# KiCad board q2.kicad_pcb (continued)
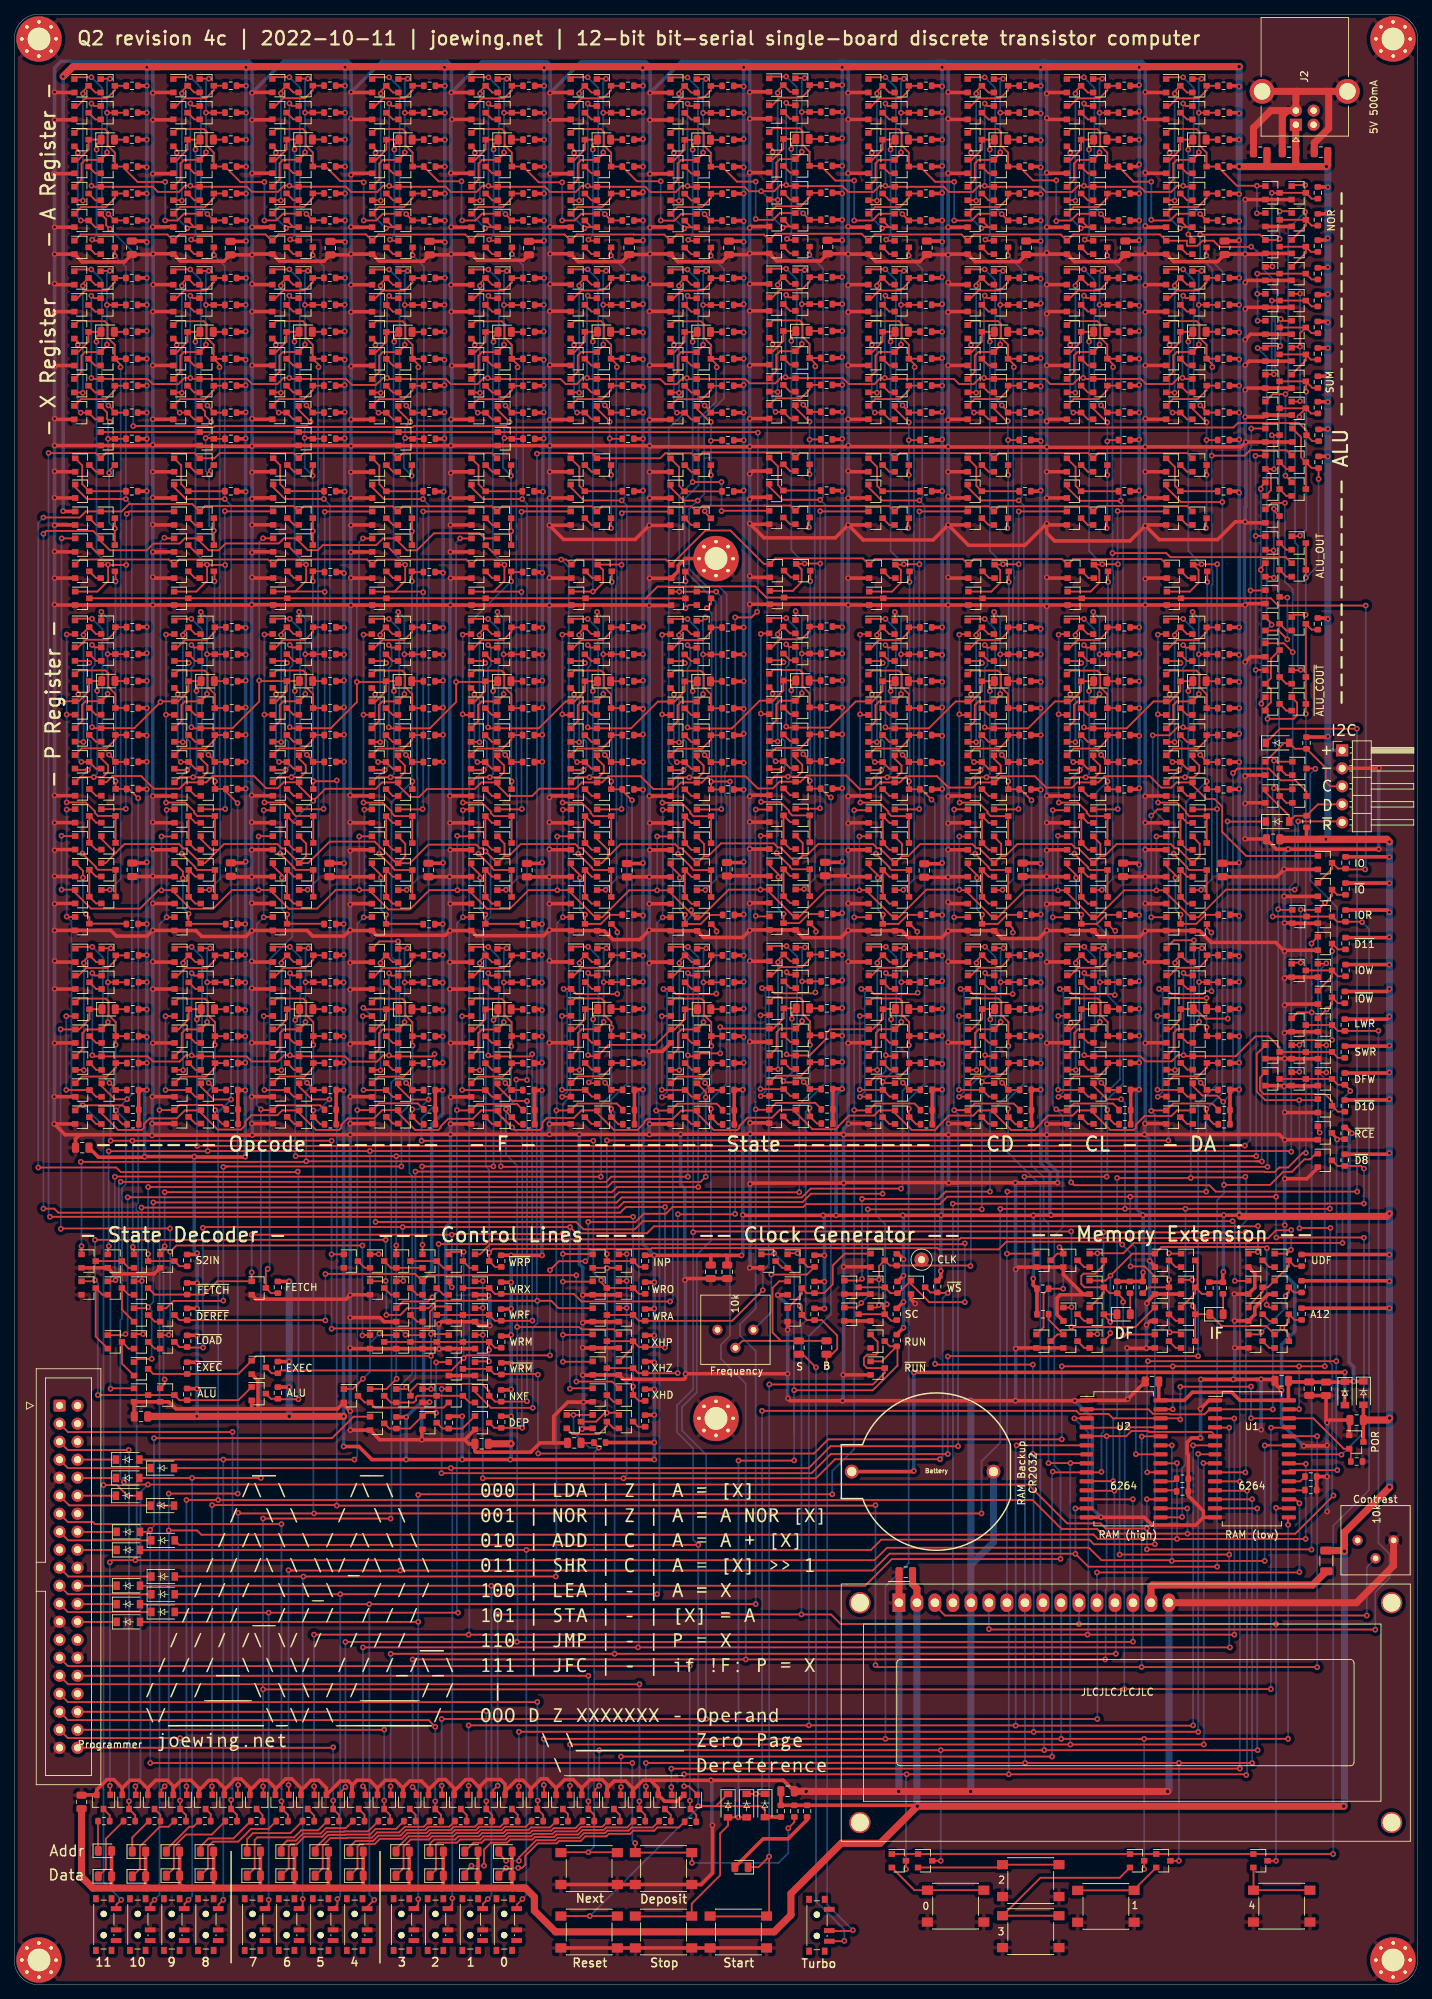
[diagram p0: board, top side]
## Routing (per net, layer and track width the routed paths; a pad name or vN(x,y) marks a point on that pad's centre or on a via; arc(x,y) is an arc through that point) (continued)
~{SW5}: length 236.7
  Top w0.25: 92.56,165.75 Q859.1 92.57,165.76 v1(91.48,165.76) ; Q860.1 91.5,150.6 ; 100.01,123.38 99.08,124.31 93.56,124.31 Q835.1 v1(90.56,123.33) ; D48.2 v1(46,55.1) v1(90.7,55.1) ; v1(45.6,12.1) 45.6,11.32 45.03,10.75
  Bottom w0.25: v1(45.6,12.1) 46,12.5 v1(46,55.1) ; v1(90.7,55.1) 91.03,55.43 91.03,122.86 v1(90.56,123.33) 90.63,123.4 90.63,149.73 v1(91.48,150.58) v1(91.48,165.76)
~{SW6}: length 222
  Top w0.25: 78.48,165.77 Q927.1 78.49,165.78 v1(77.4,165.78) ; D54.2 v1(40.8,57.6) v1(76.4,57.6) ; 40.23,10.75 40.7,11.22 v1(40.7,12.1) ; v1(76.48,123.35) Q903.1 79.48,124.33 85,124.33 85.92,123.4 ; v1(77.4,150.6) 77.42,150.62 Q928.1
  Bottom w0.25: v1(40.8,57.6) 40.7,57.5 v1(40.7,12.1) ; v1(77.4,165.78) 77.4,165.78 v1(77.4,150.6) 76.55,149.75 76.55,123.42 v1(76.48,123.35) 76.48,57.68 v1(76.4,57.6)
~{SW7}: length 208.1
  Top w0.25: 64.44,150.59 Q328.1 64.44,150.6 v1(63.3,150.6) ; v1(35.9,12) 35.9,11.22 35.43,10.75 ; v1(63.3,165.7) 63.42,165.82 Q327.1 ; R123.2 70.92,124.25 65.35,124.25 Q282.1 62.5,123.35 v1(62.45,123.4) ; v1(62.6,52.5) v1(35.9,52.5) 22.75,52.5 D53.2
  Bottom w0.25: v1(62.6,52.5) 62.45,52.65 v1(62.45,123.4) 62.45,149.75 v1(63.3,150.6) v1(63.3,165.7) ; v1(35.9,12) v1(35.9,52.5)
~{SW8}: length 198.7
  Top w0.25: 50.44,150.59 Q258.1 50.44,150.6 v1(49.3,150.6) ; v1(29.5,12) 28.83,11.33 28.83,10.75 ; v1(48,74.1) v1(29.5,74.1) D44.2 ; v1(48.4,123.4) Q212.1 51.45,124.35 56.92,124.35 R93.2 ; v1(49.4,165.79) 49.43,165.82 Q257.1
  Bottom w0.25: v1(29.5,12) v1(29.5,74.1) ; v1(48,74.1) 48.4,74.5 v1(48.4,123.4) 48.4,149.7 v1(49.3,150.6) 49.4,150.7 v1(49.4,165.79)
~{SW9}: length 185.5
  Top w0.25: 36.44,165.79 Q187.1 36.35,165.7 v1(35.2,165.7) ; Q188.1 35.24,150.64 v1(35.2,150.6) ; D43.2 v1(25.1,71.5) v1(34.8,71.5) ; 24.03,10.75 24.03,11.43 v1(24.6,12) ; R63.2 43.15,124.08 37.18,124.08 Q142.1 34.9,123.4 v1(34.8,123.5)
  Bottom w0.25: v1(24.6,12) 25.1,12.5 v1(25.1,71.5) ; v1(35.2,165.7) v1(35.2,150.6) 34.23,149.63 34.23,124.07 v1(34.8,123.5) v1(34.8,71.5)
~{SW10}: length 170.3
  Top w0.25: v1(20.5,123.4) Q72.1 23.33,124.13 29.3,124.13 R33.2 ; 19.23,10.75 19.23,11.43 v1(19.8,12) ; v1(21.5,150.6) 22.59,150.6 Q118.1 ; Q117.1 21.58,165.83 v1(21.5,165.75) ; D42.2 20.6,67.6 v1(20.5,67.7)
  Bottom w0.25: v1(19.8,12) 20.5,12.7 v1(20.5,67.7) v1(20.5,123.4) 20.5,149.6 v1(21.5,150.6) v1(21.5,165.75)
~{SW11}: length 174.5
  Top w0.25: D41.2 15.99,69 14.49,70.5 v1(12.6,70.5) ; Q48.1 7.45,150.65 v1(7.4,150.7) ; Q47.1 8.55,165.8 v1(7.4,165.8) ; Q2.1 9.33,124.08 v1(9.67,124.08) 15.3,124.08 R3.2 ; v1(15.1,12) 14.43,11.33 14.43,10.75
  Bottom w0.25: v1(7.4,165.8) v1(7.4,150.7) 8.08,150.02 8.08,125.67 v1(9.67,124.08) 12.6,121.15 v1(12.6,70.5) 12.6,14.5 v1(15.1,12)
~{WRM}: length 218.2
  Top w0.25: Q698.3 Q697.3 67.72,86.17 73.77,86.17 v1(73.88,86.07) ; v1(184.88,87.25) v1(181.25,87.25) v1(163.43,87.25) v1(147.77,87.25) ; v1(147.77,76.95) 114.83,76.95 112.83,74.95 v1(73.92,74.95) ; 179.68,81.18 181.24,81.18 v1(181.25,81.2) ; v1(163.43,81.2) 161.59,81.2 ; v1(185.1,144.1) 185.05,144.05 Q648.1
  Bottom w0.25: v1(163.43,87.25) v1(163.43,81.2) ; v1(181.25,81.2) v1(181.25,87.25) ; v1(73.88,86.07) 73.88,75 v1(73.92,74.95) ; v1(147.77,76.95) v1(147.77,87.25) ; v1(184.88,87.25) 184.88,127.85 184.37,128.35 184.37,143.37 v1(185.1,144.1)
~{WRP}: length 381.8
  Top w0.25: R321.2 67.83,101.27 Q709.3 v1(67,103.3) 67.52,103.82 89.85,103.82 89.95,103.93 130.23,103.93 130.4,103.75 138.87,103.75 139.95,104.83 155.9,104.83 v1(156.3,104.43) ; Q182.1 40.19,161.99 41.19,160.99 41.19,159.24 Q180.1 ; Q180.1 38.12,160.31 37.76,160.31 37.13,160.94 29.61,160.94 28.79,160.11 ; Q180.1 41.47,158.24 44.5,161.27 50.86,161.27 53.91,158.22 Q250.1 ; Q252.1 54.17,161.97 55.17,160.97 55.17,159.22 Q250.1 ; Q250.1 55.8,158.22 58.43,160.85 65.18,160.85 65.68,160.35 66.04,160.35 v1(66.49,159.89) Q320.1 69.17,159.22 ; Q322.1 68.17,161.97 69.17,160.97 69.17,159.22 ; 69.17,159.22 69.75,159.22 71.45,160.93 79.16,160.93 79.74,160.35 80.1,160.35 Q920.1 82.85,158.22 83.76,159.14 ; Q854.1 96.31,161.95 97.31,160.95 97.31,159.2 ; 97.31,159.2 Q852.1 94.18,160.33 93.82,160.33 93.24,160.91 85.53,160.91 83.76,159.14 ; 97.31,159.2 97.89,159.2 99.71,161.03 107.16,161.03 107.74,160.45 108.1,160.45 Q369.1 111.23,159.32 ; Q371.1 110.23,162.07 111.23,161.07 111.23,159.32 ; 111.23,159.32 111.81,159.32 113.41,160.93 121.16,160.93 121.74,160.35 122.1,160.35 Q437.1 125.23,159.22 ; Q439.1 124.23,161.97 125.23,160.97 125.23,159.22 ; 125.23,159.22 126.1,159.22 127.81,160.93 135.16,160.93 135.74,160.35 136.1,160.35 Q774.1 139.23,159.22 ; Q776.1 138.23,161.97 139.23,160.97 139.23,159.22 ; 139.23,159.22 139.81,159.22 141.51,160.93 149.16,160.93 149.74,160.35 150.1,160.35 Q505.1 153.23,159.22 ; Q507.1 152.23,161.97 153.23,160.97 153.23,159.22 ; 153.23,159.22 153.81,159.22 155.51,160.93 163.16,160.93 163.74,160.35 164.1,160.35 Q573.1 167.23,159.22 167.23,160.97 166.23,161.97 Q575.1 ; 14.32,159.68 14.28,159.68 12.3,161.66 Q42.1 ; 14.32,159.68 12.89,158.25 Q40.1 ; 14.32,159.68 15.56,160.93 23.26,160.93 23.89,160.3 24.25,160.3 Q110.1 26.91,158.23 28.79,160.11 ; Q1003.1 160.9,99.92 159.47,101.35 v1(157.48,101.35) ; 83.76,159.14 83.76,160.1 82.23,161.64 Q922.1 ; 28.79,160.11 27.89,160.11 27.65,160.35 27.61,160.35 26.32,161.64 Q112.1
  Bottom w0.25: v1(67,103.3) 67,114.98 66.52,115.45 66.52,130.39 66.15,130.77 66.15,143.07 66.52,143.44 66.52,145.69 66.15,146.07 66.15,149.58 67.2,150.63 67.2,159.19 v1(66.49,159.89) ; v1(156.3,104.43) 157.48,103.25 v1(157.48,101.35)
~{X0}: length 301.7
  Top w0.25: Q603.1 163.05,230.35 164.5,231.8 Q607.3 D35.1 165.62,232.56 v1(165.62,231.81) ; Q599.1 165.84,196.55 167.08,197.79 167.08,199.57 Q593.1 167.45,200.35 v1(167.5,200.4) v1(169.7,200.4) ; v1(169.68,165.87) 169.63,165.82 Q576.1 ; v1(131.69,88.65) 131.75,88.7 v1(167,88.7) ; v1(131.69,74.87) 115.17,74.87 112.48,72.17 v1(60.27,72.17) ; Q681.1 v1(60.3,84.05)
  Bottom w0.25: v1(165.62,231.81) 165.62,202.27 v1(167.5,200.4) ; v1(169.7,200.4) 169.68,200.38 v1(169.68,165.87) 169.68,127.01 167,124.34 v1(167,88.7) ; v1(60.27,72.17) 60.3,72.2 v1(60.3,84.05) ; v1(131.69,74.87) v1(131.69,88.65)
Net-(BT1-Pad1): length 88.1
  Top w0.5: D39.2 187.68,81.82 v1(187.68,83.47) ; v1(126.9,86.4) v1(187.7,86.4) ; v1(126.9,72.5) 126.8,72.4 BT1.1
  Bottom w0.5: v1(187.7,86.4) 187.7,83.5 v1(187.68,83.47) ; v1(126.9,72.5) v1(126.9,86.4)
Net-(C10-Pad1): length 23.7
  Top w0.25: 108.15,90.85 106.97,92.03 106.97,98.3 107.92,99.25 Q624.1 ; 108.15,90.85 C10.1 C11.1 ; 108.15,90.85 102.73,90.85 RV1.2
Net-(C10-Pad2): length 87.9
  Top w0.25: C10.2 111.25,88.95 v1(113.1,87.1) ; v1(117.1,6.2) 117.05,6.15 SW1.3
  Bottom w0.25: v1(117.1,6.2) 117.1,7.8 113.1,11.8 v1(113.1,87.1)
Net-(C11-Pad2): length 106.5
  Top w0.25: v1(118.3,7.7) 118.2,7.6 115.03,7.6 SW1.2 ; v1(110.5,103.2) 109.25,103.2 Q625.1 ; v1(110.8,95.8) 111.1,95.5 Q623.3 111.83,93.77 R271.2 113.92,93.77 116.1,91.6 116.1,89.7 115.35,88.95 C11.2 114.6,87.25 v1(114.67,87.17)
  Bottom w0.25: v1(110.5,103.2) 110.8,102.9 v1(110.8,95.8) ; v1(114.67,87.17) 114.67,11.33 v1(118.3,7.7)
Net-(C12-Pad2): length 72.4
  Top w0.25: 179.77,82.55 179.68,82.45 ; 187.7,121.02 187.77,121.02
  Top w0.5: D38.1 v1(188.95,85.12) 187.77,85.12 D39.1 187.68,85.02 182.82,85.02 182.81,85.01 ; 179.94,85.01 C13.2 ; C13.2 179.75,82.52 179.68,82.45 172.89,82.45 171.76,83.59 166.2,83.59 165.06,82.45 161.58,82.45 161.45,82.58 C12.2 ; C13.2 179.9,85.05 C14.2 ; R281.1 187.87,120.95 v1(188.7,120.12)
  Bottom w0.5: v1(188.7,120.12) 188.3,119.72 188.3,87.83 188.95,87.18 v1(188.95,85.12)
Net-(D1-Pad2): length 1.6
  Top w0.25: R8.2 D1.2
Net-(D2-Pad2): length 1.6
  Top w0.25: R16.2 D2.2
Net-(D3-Pad2): length 1.6
  Top w0.25: R23.2 D3.2
Net-(D4-Pad2): length 1.6
  Top w0.25: R29.2 D4.2
Net-(D5-Pad2): length 1.6
  Top w0.25: R38.2 D5.2
Net-(D6-Pad2): length 1.6
  Top w0.25: R46.2 D6.2
Net-(D7-Pad2): length 1.6
  Top w0.25: R53.2 D7.2
Net-(D8-Pad2): length 1.6
  Top w0.25: R59.2 D8.2
Net-(D9-Pad2): length 1.6
  Top w0.25: R68.2 D9.2
Net-(D10-Pad2): length 1.6
  Top w0.25: R76.2 D10.2
Net-(D11-Pad2): length 1.6
  Top w0.25: R83.2 D11.2
Net-(D12-Pad2): length 1.6
  Top w0.25: R89.2 D12.2
Net-(D13-Pad2): length 1.6
  Top w0.25: R98.2 D13.2
Net-(D14-Pad2): length 1.6
  Top w0.25: R106.2 D14.2
Net-(D15-Pad2): length 1.6
  Top w0.25: 57.72,183.9 D15.2
Net-(D16-Pad2): length 1.6
  Top w0.25: R119.2 D16.2
Net-(D17-Pad2): length 1.6
  Top w0.25: R128.2 D17.2
Net-(D18-Pad2): length 1.6
  Top w0.25: R136.2 D18.2
Net-(D19-Pad2): length 1.6
  Top w0.25: 71.72,183.9 D19.2
Net-(D20-Pad2): length 1.6
  Top w0.25: R149.2 D20.2
Net-(D21-Pad2): length 1.6
  Top w0.25: R158.2 D21.2
Net-(D22-Pad2): length 1.6
  Top w0.25: R165.2 D22.2
Net-(D23-Pad2): length 1.6
  Top w0.25: R173.2 D23.2
Net-(D24-Pad2): length 1.6
  Top w0.25: R179.2 D24.2
Net-(D25-Pad2): length 1.6
  Top w0.25: R188.2 D25.2
Net-(D26-Pad2): length 1.6
  Top w0.25: R195.2 D26.2
Net-(D27-Pad2): length 1.6
  Top w0.25: R203.2 D27.2
Net-(D28-Pad2): length 1.6
  Top w0.25: R209.2 D28.2
Net-(D29-Pad2): length 1.6
  Top w0.25: R218.2 D29.2
Net-(D30-Pad2): length 1.6
  Top w0.25: R225.2 D30.2
Net-(D31-Pad2): length 1.6
  Top w0.25: R233.2 D31.2
Net-(D32-Pad2): length 1.6
  Top w0.25: R239.2 D32.2
Net-(D33-Pad2): length 1.6
  Top w0.25: R248.2 D33.2
Net-(D34-Pad2): length 1.6
  Top w0.25: R255.2 D34.2
Net-(D35-Pad2): length 1.6
  Top w0.25: R263.2 D35.2
Net-(D36-Pad2): length 1.6
  Top w0.25: R269.2 D36.2
Net-(D37-Pad2): length 13.4
  Top w0.5: D37.2 105.66,20.6 109.17,20.6 111.85,23.27 R279.2
Net-(D41-Pad1): length 5.4
  Top w0.25: D41.1 J1.12
Net-(D42-Pad1): length 13.4
  Top w0.25: J1.11 7.76,67.64 19.21,67.64 D42.1
Net-(D43-Pad1): length 5.4
  Top w0.25: J1.10 8.98,71.5 D43.1
Net-(D44-Pad1): length 5.4
  Top w0.25: J1.8 8.96,74.1 D44.1
Net-(D45-Pad1): length 13.3
  Top w0.25: J1.7 7.58,72.9 D45.1
Net-(D46-Pad1): length 5.5
  Top w0.25: J1.26 8.96,51.2 D46.1
Net-(D47-Pad1): length 5.5
  Top w0.25: J1.24 9,53.7 D47.1
Net-(D48-Pad1): length 13.4
  Top w0.25: D48.1 7.6,55.1 J1.21
Net-(D49-Pad1): length 13.5
  Top w0.25: D49.1 7.62,62.7 J1.15
Net-(D50-Pad1): length 5.5
  Top w0.25: J1.16 8.96,63.9 D50.1
Net-(D51-Pad1): length 5.5
  Top w0.25: D51.1 8.97,61.35 J1.18
Net-(D52-Pad1): length 5.5
  Top w0.25: D52.1 J1.22
Net-(D53-Pad1): length 13.4
  Top w0.25: J1.23 7.58,52.58 9.5,52.58 9.52,52.6 D53.1
Net-(D54-Pad1): length 13.5
  Top w0.25: D54.1 7.64,57.6 J1.19
Net-(D55-Pad2): length 1.6
  Top w0.25: R343.2 D55.2
Net-(D56-Pad2): length 1.6
  Top w0.25: R350.2 D56.2
Net-(D57-Pad2): length 1.6
  Top w0.25: R358.2 D57.2
Net-(D58-Pad2): length 1.6
  Top w0.25: R364.2 D58.2
Net-(D61-Pad2): length 1.6
  Top w0.25: R376.2 D61.2
Net-(D62-Pad2): length 1.6
  Top w0.25: R383.2 D62.2
Net-(D63-Pad2): length 1.6
  Top w0.25: R391.2 D63.2
Net-(D64-Pad2): length 1.6
  Top w0.25: 99.9,137.63 D64.2
Net-(D65-Pad2): length 1.6
  Top w0.25: R406.2 D65.2
Net-(D66-Pad2): length 1.6
  Top w0.25: R413.2 D66.2
Net-(D67-Pad2): length 1.6
  Top w0.25: R421.2 D67.2
Net-(D68-Pad2): length 1.6
  Top w0.25: R427.2 D68.2
Net-(D69-Pad1): length 4.2
  Top w0.25: D69.1 11.82,18.94 R429.1
Net-(D70-Pad1): length 5.3
  Top w0.25: D70.1 16.66,20.79 R430.1
Net-(D71-Pad1): length 6.5
  Top w0.25: 26.08,23.1 25.27,22.3 24.7,22.3 21.46,19.07 D71.1
Net-(D72-Pad1): length 9.3
  Top w0.25: R432.1 30.93,20.65 27.41,20.65 26.26,19.5 D72.1
Net-(D73-Pad1): length 14.6
  Top w0.25: D73.1 42.46,19.29 44.32,21.15 46.69,21.15 46.74,21.2 50.2,21.2 51,22 53.88,22 R433.1
Net-(D74-Pad1): length 17
  Top w0.25: D74.1 47.36,19.5 48.16,20.3 50.64,20.3 51.39,21.05 54.49,21.05 55.29,21.85 57.96,21.85 58.41,22.3 61.37,22.3 R434.1
Net-(D75-Pad1): length 17.5
  Top w0.25: R435.1 68.57,22.3 65.61,22.3 65.16,21.85 62.2,21.85 61.75,21.4 58.78,21.4 58.33,20.95 55.66,20.95 53.86,19.15 D75.1
Net-(D76-Pad1): length 10.6
  Top w0.25: R436.1 38.97,21.4 33.7,21.4 32.86,20.56 D76.1
Net-(D77-Pad1): length 12.3
  Top w0.25: R437.1 46.77,22.1 44,22.1 43.25,21.35 40.75,21.35 39.75,20.35 38.51,20.35 37.66,19.5 D77.1
Net-(D78-Pad1): length 20.3
  Top w0.25: D78.1 58.66,19.93 59.23,20.5 62.2,20.5 62.65,20.95 65.55,20.95 66,21.4 68.95,21.4 69.4,21.85 72.55,21.85 72.9,22.2 75.58,22.2 R438.1
Net-(D79-Pad1): length 22
  Top w0.25: R439.1 82.97,22.29 80.01,22.29 79.36,21.65 76.3,21.65 75.95,21.3 73.27,21.3 72.92,20.95 69.77,20.95 69.32,20.5 66.37,20.5 65.92,20.05 64.81,20.05 D79.1
Net-(D80-Pad1): length 25.9
  Top w0.25: v1(69.39,17.5) 68.36,18.52 D80.1 ; v1(71.2,17.5) 71.2,17.95 73.65,20.4 76.32,20.4 76.67,20.75 79.73,20.75 80.38,21.39 83.34,21.39 83.7,21.75 86.66,21.75 87.11,22.2 90.08,22.2 R440.1
  Bottom w0.25: v1(69.39,17.5) v1(71.2,17.5)
Net-(D81-Pad1): length 9.3
  Top w0.25: D81.1 12.92,16.36 12.92,20.6 R441.1
Net-(D82-Pad1): length 11
  Top w0.25: D82.1 17.72,16.36 17.72,19.49 20.53,22.3 21.77,22.3 22.58,23.1
Net-(D83-Pad1): length 13.3
  Top w0.25: D83.1 22.52,16.46 22.52,19.49 24.23,21.2 27.88,21.2 R443.1
Net-(D84-Pad1): length 15.7
  Top w0.25: D84.1 27.32,16.46 27.32,19.49 28.03,20.2 31.6,20.2 33.4,22 35.88,22 R444.1
Net-(D85-Pad1): length 16.8
  Top w0.25: R445.1 42.88,21.8 40.5,21.8 39.5,20.8 34.3,20.8 33.92,20.42 33.92,16.46 D85.1
Net-(D86-Pad1): length 18.7
  Top w0.25: D86.1 38.72,16.46 38.72,19.49 39.06,19.83 39.86,19.83 40.94,20.9 43.44,20.9 44.14,21.6 46.5,21.6 46.55,21.65 49.92,21.65 R446.1
Net-(D87-Pad1): length 21.2
  Top w0.25: 58.58,23.1 57.77,22.3 55.1,22.3 54.3,21.5 51.2,21.5 50.45,20.75 46.92,20.75 46.87,20.7 44.6,20.7 43.52,19.62 43.52,16.46 D87.1
Net-(D88-Pad1): length 23.4
  Top w0.25: R448.1 64.97,22.3 62.01,22.3 61.56,21.85 58.6,21.85 58.15,21.4 55.47,21.4 54.67,20.6 51.6,20.6 50.85,19.85 48.78,19.85 48.42,19.49 48.42,16.46 D88.1
Net-(D89-Pad1): length 24.1
  Top w0.25: D89.1 54.92,16.46 54.92,19.49 55.93,20.5 58.52,20.5 58.97,20.95 61.93,20.95 62.38,21.4 65.35,21.4 65.8,21.85 68.76,21.85 69.21,22.3 72.17,22.3 R449.1
Net-(D90-Pad1): length 26.8
  Top w0.25: R450.1 79.17,22.1 76.11,22.1 75.76,21.75 73.09,21.75 72.74,21.4 69.58,21.4 69.13,20.95 66.19,20.95 65.74,20.5 62.9,20.5 62.45,20.05 59.75,20.05 59.48,19.78 59.48,16.21 D90.1
Net-(D91-Pad1): length 28.6
  Top w0.25: v1(64.5,16.8) 63.56,15.86 D91.1 ; v1(66.29,16.8) 66.29,19.09 67.25,20.05 69.51,20.05 69.96,20.5 73.11,20.5 73.46,20.85 76.13,20.85 76.48,21.2 79.55,21.2 80.19,21.84 83.16,21.84 83.51,22.2 86.48,22.2 R451.1
  Bottom w0.25: v1(64.5,16.8) v1(66.29,16.8)
Net-(D92-Pad1): length 30.1
  Top w0.25: R452.1 93.77,22.2 90.71,22.2 90.26,21.75 87.35,21.75 86.9,21.3 83.88,21.3 83.53,20.94 80.56,20.94 79.92,20.3 76.86,20.3 76.51,19.95 73.85,19.95 72.1,18.2 72.1,16.93 71.67,16.5 v1(71.1,16.5) ; v1(69.39,16.5) 68.36,15.47 D92.1
  Bottom w0.25: v1(69.39,16.5) v1(71.1,16.5)
Net-(D95-Pad2): length 2.9
  Top w0.25: D95.2 170.54,97.44 R457.2
Net-(D96-Pad2): length 3
  Top w0.25: R460.2 157.44,97.54 D96.2
Net-(DS1-Pad3): length 70.5
  Top w0.25: v1(190.8,52.1) 131.3,52.1 129.88,53.52 DS1.3
  Bottom w0.25: v1(190.8,52.1) 190.8,58.92 RV3.2
Net-(DS1-Pad4): length 124.2
  Top w0.25: Q824.3 186.68,115.52 R366.1 190.02,115.52 v1(190.4,115.14) ; v1(132.4,110.2) 185.23,110.2 185.25,110.23 190.38,110.23 v1(190.4,110.21)
  Bottom w0.25: DS1.4 132.42,110.18 v1(132.4,110.2) ; v1(190.4,110.21) v1(190.4,115.14)
Net-(DS1-Pad15): length 27.9
  Top w1: DS1.15 160.36,56.2 160.56,56.4 183.16,56.4 R274.1
Net-(Q1-Pad2): length 2.1
  Top w0.25: Q1.2 11.55,121.45 Q2.3
Net-(Q3-Pad2): length 2.1
  Top w0.25: Q3.2 11.45,244.15 Q4.3
Net-(Q6-Pad2): length 2.1
  Top w0.25: Q6.2 11.45,255.55 Q7.3
Net-(Q10-Pad2): length 2.1
  Top w0.25: Q13.3 11.45,251.75 Q10.2
Net-(Q10-Pad3): length 8.8
  Top w0.25: R7.2 Q10.3 14.2,252.05 12.95,250.8 9.45,250.8 Q15.1
Net-(Q11-Pad2): length 14
  Top w0.25: Q11.2 8.97,258.88 v1(8.97,258.45) ; v1(9.4,248.9) Q15.3 11.45,247.95 Q14.2
  Bottom w0.25: v1(9.4,248.9) 8.97,249.32 v1(8.97,258.45)
Net-(Q12-Pad1): length 8.9
  Top w0.25: R4.2 Q5.3 14.2,267.25 13.08,266.13 10.03,266.13 8.95,265.05 Q12.1
Net-(Q12-Pad3): length 2.1
  Top w0.25: Q12.3 11.45,263.15 Q9.2
Net-(Q13-Pad1): length 22.6
  Top w0.25: v1(13.1,264.1) Q9.3 R6.2 ; Q13.1 9.5,254.65 9.5,256.94 10.01,257.45 Q6.1 13.1,258.35 v1(13.1,258.5) ; v1(13.5,268.9) 12.25,268.9 Q5.1
  Bottom w0.25: v1(13.5,268.9) 13.1,268.5 v1(13.1,264.1) v1(13.1,258.5)
Net-(Q13-Pad2): length 19.8
  Top w0.25: v1(9.7,251.7) 9.65,251.75 Q13.2 ; Q5.2 11.45,266.95 Q8.3 9.7,267.1 v1(9.7,266.8)
  Bottom w0.25: v1(9.7,251.7) v1(9.7,266.8)
Net-(Q14-Pad3): length 25.6
  Top w0.25: Q8.1 8.75,269.1 v1(10.9,269.1) ; R9.2 Q14.3 v1(13.3,249.8)
  Bottom w0.25: v1(13.3,249.8) 12.37,250.73 12.37,267.63 v1(10.9,269.1)
Net-(Q16-Pad2): length 2
  Top w0.25: Q21.3 11.55,198.45 Q16.2
Net-(Q18-Pad2): length 2
  Top w0.25: Q18.2 11.55,202.15 Q22.3
Net-(Q19-Pad2): length 2
  Top w0.25: Q19.2 11.55,205.95 Q23.3
Net-(Q20-Pad2): length 2
  Top w0.25: Q20.2 11.55,213.45 Q24.3
Net-(Q24-Pad1): length 10.7
  Top w0.25: R11.2 Q26.3 9.6,211.7 9.6,214.35 Q24.1
Net-(Q27-Pad1): length 22.6
  Top w0.25: R14.2 Q31.3 v1(13.08,236.99) ; Q27.1 12.23,241.79 v1(13.48,241.79) ; Q35.1 9.48,227.54 9.48,229.82 10,230.34 Q28.1 13.08,231.24 v1(13.08,231.39)
  Bottom w0.25: v1(13.08,231.39) v1(13.08,236.99) 13.08,241.39 v1(13.48,241.79)
Net-(Q27-Pad2): length 19.8
  Top w0.25: Q27.2 11.43,239.84 Q30.3 9.68,239.99 v1(9.68,239.69) ; v1(9.68,224.59) 9.63,224.64 Q35.2
  Bottom w0.25: v1(9.68,224.59) v1(9.68,239.69)
Net-(Q27-Pad3): length 8.8
  Top w0.25: Q34.1 8.93,237.94 10.01,239.01 13.06,239.01 14.18,240.14 Q27.3 R12.2
Net-(Q28-Pad2): length 2.1
  Top w0.25: Q29.3 11.43,228.44 Q28.2
Net-(Q30-Pad1): length 25.6
  Top w0.25: R17.2 Q36.3 14.18,221.92 v1(13.3,222.8) ; Q30.1 8.73,241.99 v1(10.88,241.99)
  Bottom w0.25: v1(10.88,241.99) 12.36,240.51 12.36,223.74 v1(13.3,222.8)
Net-(Q31-Pad2): length 2.1
  Top w0.25: Q34.3 11.43,236.04 Q31.2
Net-(Q32-Pad2): length 2.1
  Top w0.25: Q35.3 11.43,224.64 Q32.2
Net-(Q32-Pad3): length 8.8
  Top w0.25: Q37.1 9.43,223.69 12.93,223.69 14.18,224.94 Q32.3 R15.2
Net-(Q33-Pad2): length 14
  Top w0.25: Q36.2 11.43,220.84 Q37.3 v1(9.38,221.79) ; Q33.2 8.96,231.76 v1(8.96,231.34)
  Bottom w0.25: v1(8.96,231.34) 8.96,222.21 v1(9.38,221.79)
Net-(Q38-Pad2): length 2.1
  Top w0.25: Q38.2 11.55,167.75 Q39.3
Net-(Q40-Pad2): length 8
  Top w0.25: Q40.2 11.55,156.35 Q45.3 Q44.3 11.55,152.55 Q41.2
Net-(Q42-Pad2): length 8
  Top w0.25: Q42.2 11.55,160.15 Q46.3 Q47.3 11.55,163.95 Q43.2
Net-(Q45-Pad1): length 14.6
  Top w0.25: v1(9.7,156.2) 9.7,157.15 Q45.1 ; v1(10.1,151.1) 10.6,150.6 Q48.3 15.77,149.7 15.83,149.65
  Bottom w0.25: v1(10.1,151.1) 9.7,151.5 v1(9.7,156.2)
Net-(Q49-Pad1): length 23.9
  Top w0.25: R21.2 Q53.3 v1(13.17,187.73) ; 12.32,192.53 Q49.1 12.3,192.5 v1(12.3,193.7) ; Q57.1 9.57,178.28 9.57,180.56 10.09,181.08 Q50.1 13.17,181.98 v1(13.17,182.13)
  Bottom w0.25: v1(13.17,182.13) v1(13.17,187.73) 13.17,192.83 v1(12.3,193.7)
Net-(Q49-Pad2): length 19.8
  Top w0.25: Q49.2 11.52,190.58 Q52.3 9.77,190.73 v1(9.77,190.43) ; v1(9.77,175.33) 9.72,175.38 Q57.2
  Bottom w0.25: v1(9.77,175.33) v1(9.77,190.43)
Net-(Q49-Pad3): length 8.8
  Top w0.25: Q56.1 9.02,188.68 10.1,189.75 13.15,189.75 14.27,190.88 Q49.3 R19.2
Net-(Q50-Pad2): length 2.1
  Top w0.25: Q51.3 11.52,179.18 Q50.2
Net-(Q52-Pad1): length 25.6
  Top w0.25: R24.2 Q58.3 14.27,172.66 v1(13.39,173.54) ; Q52.1 8.82,192.73 v1(10.97,192.73)
  Bottom w0.25: v1(10.97,192.73) 12.45,191.25 12.45,174.48 v1(13.39,173.54)
Net-(Q53-Pad2): length 2.1
  Top w0.25: Q56.3 11.52,186.78 Q53.2
Net-(Q54-Pad2): length 2.1
  Top w0.25: Q57.3 11.52,175.38 Q54.2
Net-(Q54-Pad3): length 8.8
  Top w0.25: Q59.1 9.52,174.43 13.02,174.43 14.27,175.68 Q54.3 R22.2
Net-(Q55-Pad2): length 14
  Top w0.25: Q58.2 11.52,171.58 Q59.3 v1(9.47,172.53) ; Q55.2 9.05,182.5 v1(9.05,182.08)
  Bottom w0.25: v1(9.05,182.08) 9.05,172.95 v1(9.47,172.53)
Net-(Q60-Pad1): length 22.6
  Top w0.25: R27.2 Q64.3 v1(13.22,141.43) ; Q60.1 12.37,146.23 v1(13.62,146.23) ; Q68.1 9.62,131.98 9.62,134.26 10.14,134.78 Q61.1 13.22,135.68 v1(13.22,135.83)
  Bottom w0.25: v1(13.22,135.83) v1(13.22,141.43) 13.22,145.83 v1(13.62,146.23)
Net-(Q60-Pad2): length 19.8
  Top w0.25: Q60.2 11.57,144.28 Q63.3 9.82,144.43 v1(9.82,144.13) ; v1(9.82,129.03) 9.77,129.08 Q68.2
  Bottom w0.25: v1(9.82,129.03) v1(9.82,144.13)
Net-(Q60-Pad3): length 8.8
  Top w0.25: Q67.1 9.07,142.38 10.15,143.45 13.2,143.45 14.32,144.58 Q60.3 R25.2
Net-(Q61-Pad2): length 2.1
  Top w0.25: Q62.3 11.57,132.88 Q61.2
Net-(Q63-Pad1): length 25.6
  Top w0.25: R30.2 Q69.3 14.32,126.36 v1(13.44,127.24) ; Q63.1 8.87,146.43 v1(11.02,146.43)
  Bottom w0.25: v1(11.02,146.43) 12.5,144.95 12.5,128.18 v1(13.44,127.24)
Net-(Q64-Pad2): length 2.1
  Top w0.25: Q67.3 11.57,140.48 Q64.2
Net-(Q65-Pad2): length 2.1
  Top w0.25: Q68.3 11.57,129.08 Q65.2
Net-(Q65-Pad3): length 8.8
  Top w0.25: Q70.1 9.57,128.13 13.07,128.13 14.32,129.38 Q65.3 R28.2
Net-(Q66-Pad2): length 17.1
  Top w0.25: v1(7.35,136.65) 8.6,136.65 Q66.2 ; Q69.2 11.57,125.28 Q70.3 7.37,126.23 v1(7.35,126.25)
  Bottom w0.25: v1(7.35,126.25) v1(7.35,136.65)
Net-(Q71-Pad2): length 2.1
  Top w0.25: Q72.3 25.55,121.5 Q71.2
Net-(Q73-Pad2): length 2.1
  Top w0.25: Q74.3 25.4,244.16 Q73.2
Net-(Q75-Pad1): length 22.6
  Top w0.25: R36.2 Q79.3 v1(27.05,264.11) ; Q75.1 26.2,268.91 v1(27.45,268.91) ; Q83.1 23.45,254.66 23.45,256.94 23.97,257.46 Q76.1 27.05,258.36 v1(27.05,258.51)
  Bottom w0.25: v1(27.05,258.51) v1(27.05,264.11) 27.05,268.51 v1(27.45,268.91)
Net-(Q75-Pad2): length 19.8
  Top w0.25: Q75.2 25.4,266.96 Q78.3 23.65,267.11 v1(23.65,266.81) ; v1(23.65,251.71) 23.6,251.76 Q83.2
  Bottom w0.25: v1(23.65,251.71) v1(23.65,266.81)
Net-(Q75-Pad3): length 8.8
  Top w0.25: Q82.1 22.9,265.06 23.98,266.13 27.03,266.13 28.15,267.26 Q75.3 R34.2
Net-(Q76-Pad2): length 2.1
  Top w0.25: Q77.3 25.4,255.56 Q76.2
Net-(Q78-Pad1): length 25.6
  Top w0.25: R39.2 Q84.3 v1(27.25,249.81) ; Q78.1 22.7,269.11 v1(24.85,269.11)
  Bottom w0.25: v1(24.85,269.11) 26.33,267.63 26.33,250.73 v1(27.25,249.81)
Net-(Q79-Pad2): length 2.1
  Top w0.25: Q82.3 25.4,263.16 Q79.2
Net-(Q80-Pad2): length 2.1
  Top w0.25: Q83.3 25.4,251.76 Q80.2
Net-(Q80-Pad3): length 8.8
  Top w0.25: Q85.1 23.4,250.81 26.9,250.81 28.15,252.06 Q80.3 R37.2
Net-(Q81-Pad2): length 16.3
  Top w0.25: Q85.3 25.4,247.96 Q84.2 24.56,247.96 v1(24.4,247.8) ; Q81.2 22.93,258.88 v1(22.93,258.46)
  Bottom w0.25: v1(24.4,247.8) 22.93,249.27 v1(22.93,258.46)
Net-(Q86-Pad2): length 2
  Top w0.25: Q91.3 25.51,198.45 Q86.2
Net-(Q88-Pad2): length 2
  Top w0.25: Q92.3 25.51,202.15 Q88.2
Net-(Q89-Pad2): length 2
  Top w0.25: Q93.3 25.51,205.95 Q89.2
Net-(Q90-Pad2): length 2
  Top w0.25: Q94.3 25.51,213.45 Q90.2
Net-(Q94-Pad1): length 10.7
  Top w0.25: R41.2 Q96.3 23.56,211.7 23.56,214.35 Q94.1
Net-(Q98-Pad2): length 2.1
  Top w0.25: Q99.3 25.39,228.44 Q98.2
Net-(Q100-Pad1): length 25.6
  Top w0.25: R47.2 Q106.3 28.14,221.92 v1(27.26,222.8) ; Q100.1 22.69,241.99 v1(24.84,241.99)
  Bottom w0.25: v1(24.84,241.99) 26.32,240.51 26.32,223.74 v1(27.26,222.8)
Net-(Q100-Pad3): length 19.8
  Top w0.25: Q97.2 25.39,239.84 Q100.3 23.64,239.99 v1(23.64,239.69) ; v1(23.64,224.59) 23.59,224.64 Q105.2
  Bottom w0.25: v1(23.64,224.59) v1(23.64,239.69)
Net-(Q101-Pad2): length 2.1
  Top w0.25: Q104.3 25.39,236.04 Q101.2
Net-(Q101-Pad3): length 22.6
  Top w0.25: R44.2 Q101.3 v1(27.04,236.99) ; Q97.1 26.19,241.79 v1(27.44,241.79) ; Q105.1 23.44,227.54 23.44,229.82 23.96,230.34 Q98.1 27.04,231.24 v1(27.04,231.39)
  Bottom w0.25: v1(27.04,231.39) v1(27.04,236.99) 27.04,241.39 v1(27.44,241.79)
Net-(Q102-Pad2): length 2.1
  Top w0.25: Q105.3 25.39,224.64 Q102.2
Net-(Q102-Pad3): length 8.8
  Top w0.25: Q107.1 23.39,223.69 26.89,223.69 28.14,224.94 Q102.3 R45.2
Net-(Q103-Pad2): length 14
  Top w0.25: Q106.2 25.39,220.84 Q107.3 v1(23.34,221.79) ; Q103.2 22.92,231.76 v1(22.92,231.34)
  Bottom w0.25: v1(22.92,231.34) 22.92,222.21 v1(23.34,221.79)
Net-(Q104-Pad1): length 8.8
  Top w0.25: Q104.1 22.89,237.94 23.97,239.01 27.02,239.01 28.14,240.14 Q97.3 R42.2
Net-(Q108-Pad2): length 2.1
  Top w0.25: Q109.3 25.57,167.73 Q108.2
Net-(Q110-Pad2): length 8
  Top w0.25: Q110.2 25.57,156.33 Q115.3 Q114.3 25.57,152.53 Q111.2
Net-(Q112-Pad2): length 8
  Top w0.25: Q113.2 25.57,163.93 Q117.3 Q116.3 25.57,160.13 Q112.2
Net-(Q115-Pad1): length 14.6
  Top w0.25: R48.2 29.8,149.68 Q118.3 24.6,149.7 v1(24.6,151.1) ; Q115.1 23.8,157.05 v1(23.8,156.1)
  Bottom w0.25: v1(24.6,151.1) 23.8,151.9 v1(23.8,156.1)
Net-(Q119-Pad1): length 23.9
  Top w0.25: R51.2 Q123.3 v1(27.19,187.71) ; 26.34,192.51 Q119.1 26.32,192.48 v1(26.32,193.68) ; Q127.1 23.59,178.26 23.59,180.54 24.11,181.06 Q120.1 27.19,181.96 v1(27.19,182.11)
  Bottom w0.25: v1(27.19,182.11) v1(27.19,187.71) 27.19,192.81 v1(26.32,193.68)
Net-(Q119-Pad2): length 19.8
  Top w0.25: Q119.2 25.54,190.56 Q122.3 23.79,190.71 v1(23.79,190.41) ; v1(23.79,175.31) 23.74,175.36 Q127.2
  Bottom w0.25: v1(23.79,175.31) v1(23.79,190.41)
Net-(Q119-Pad3): length 8.8
  Top w0.25: Q126.1 23.04,188.66 24.12,189.73 27.17,189.73 28.29,190.86 Q119.3 R49.2
